# Altium PCB roach2.PcbDoc (part 1 of 39) (continued)
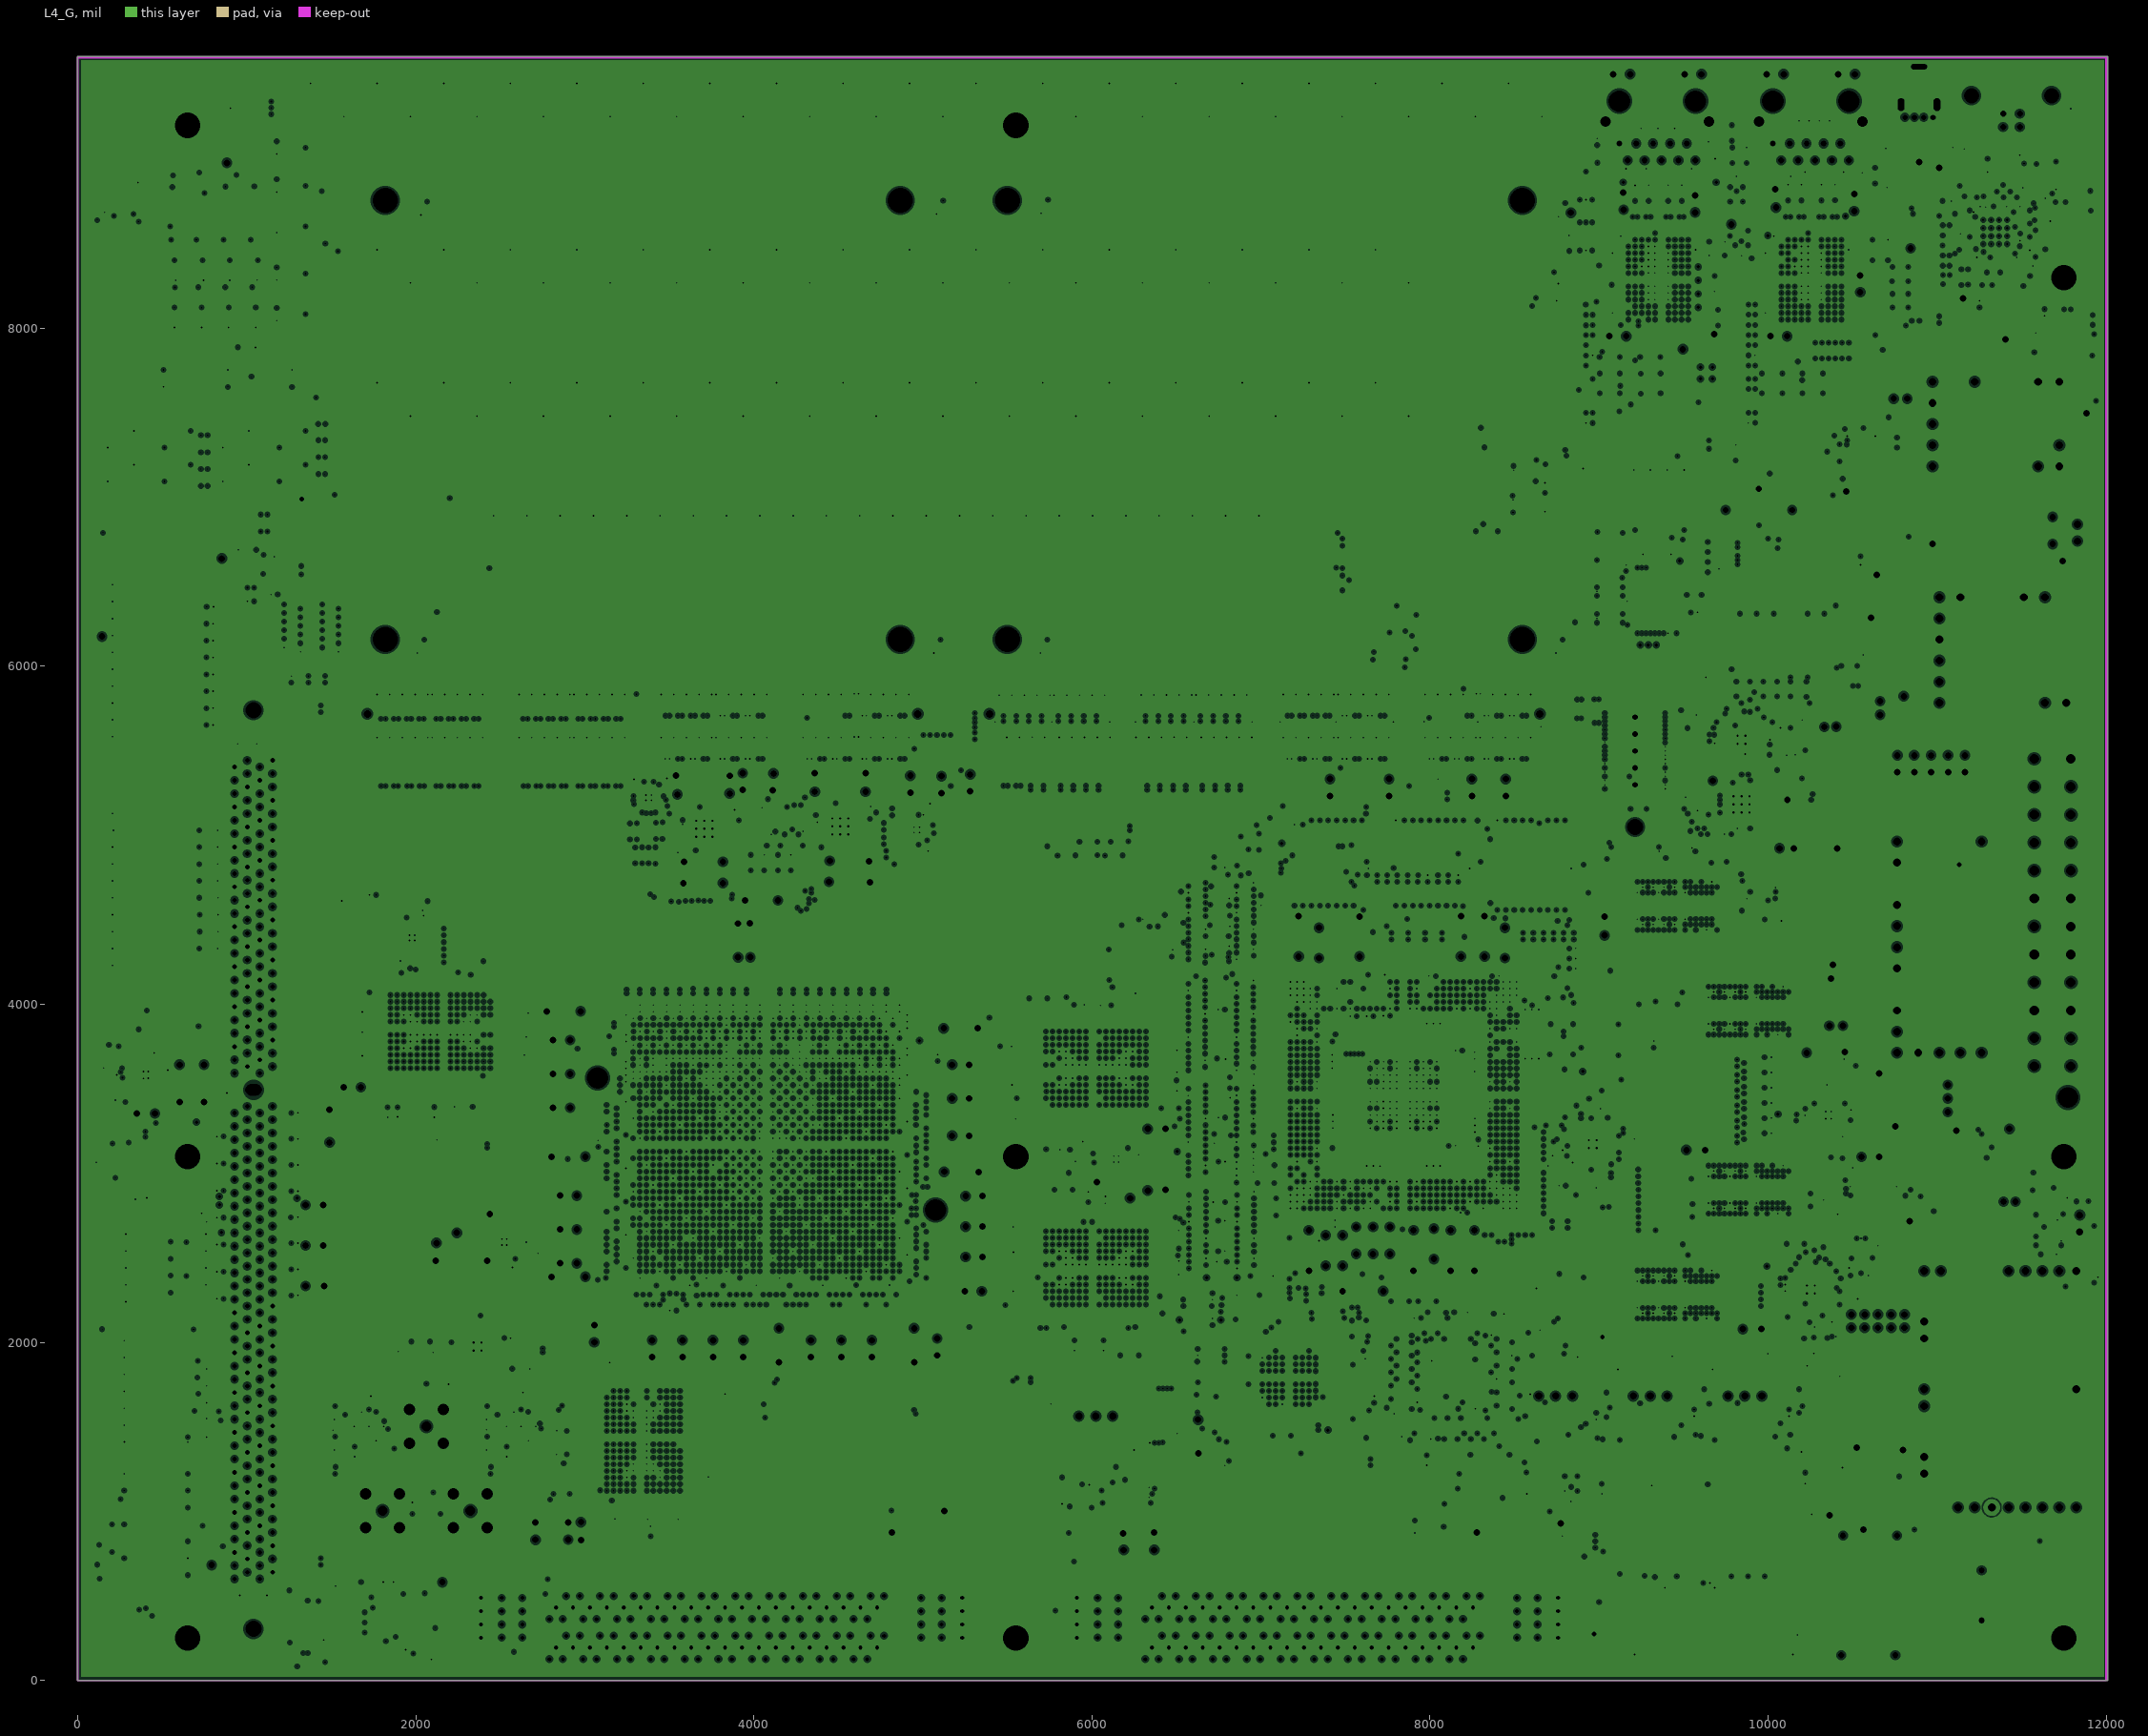
[diagram p4: L4_G, clearances drawn from the general rule]
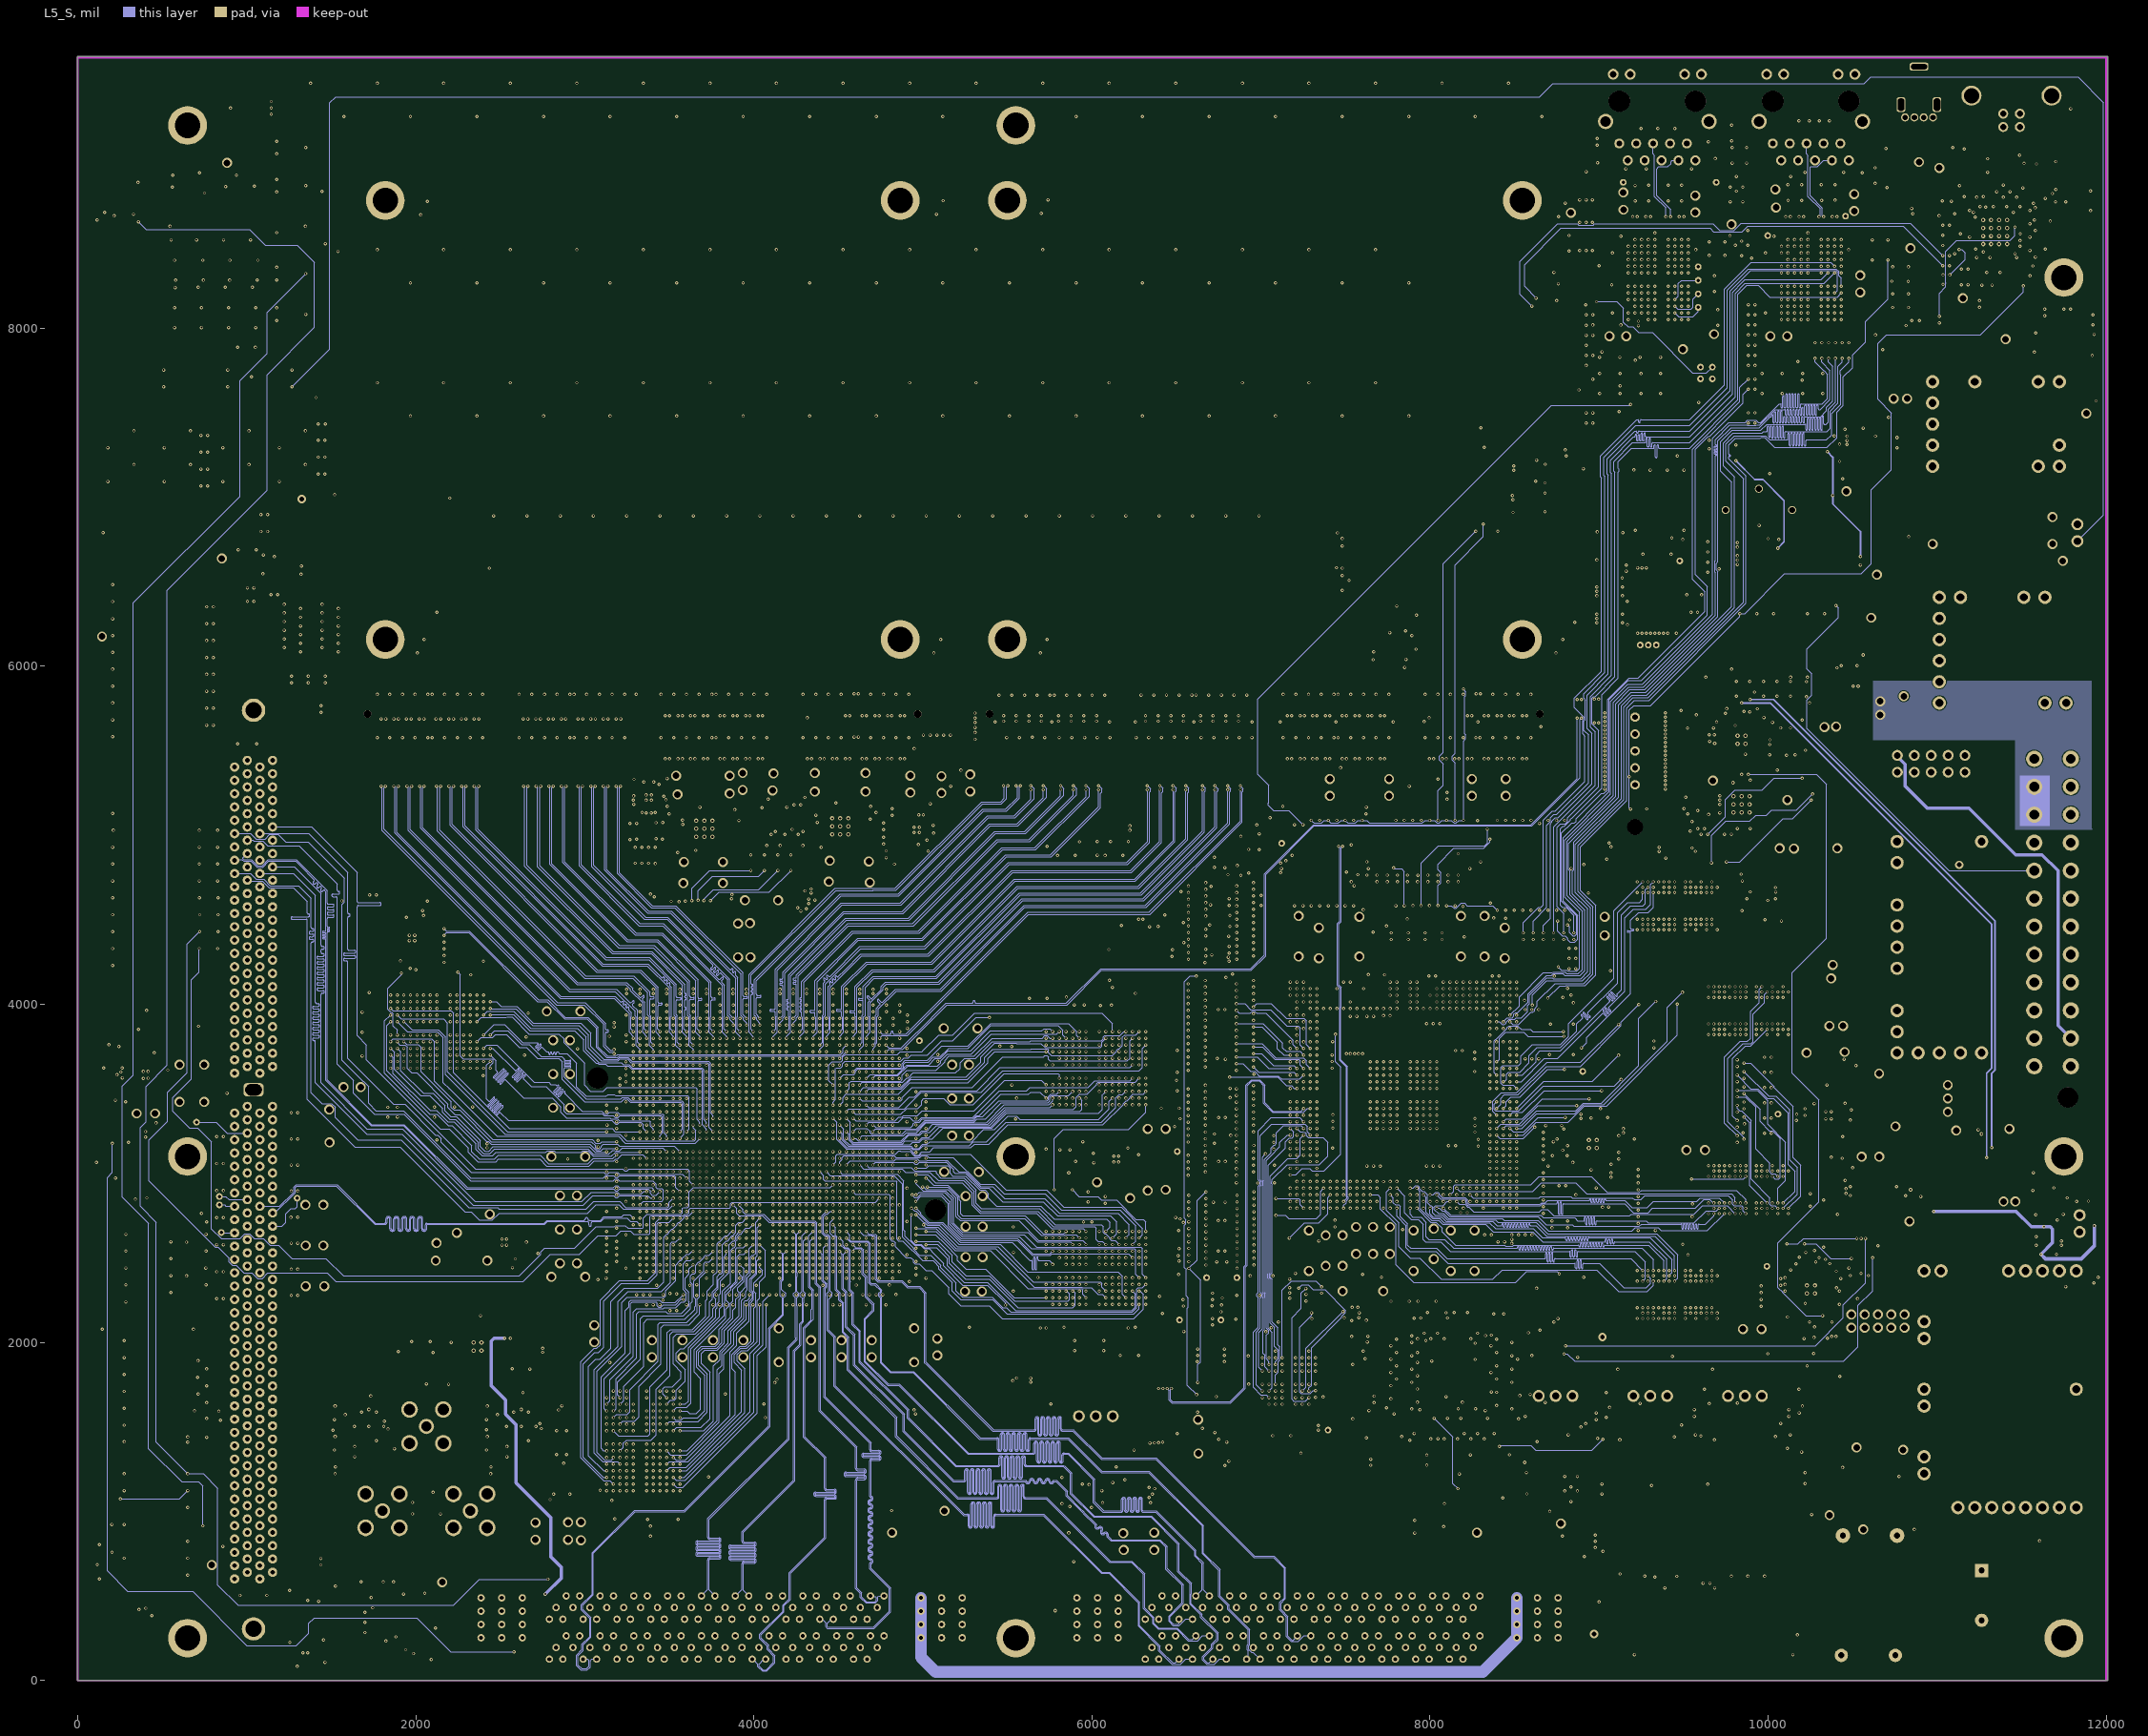
[diagram p5: L5_S]
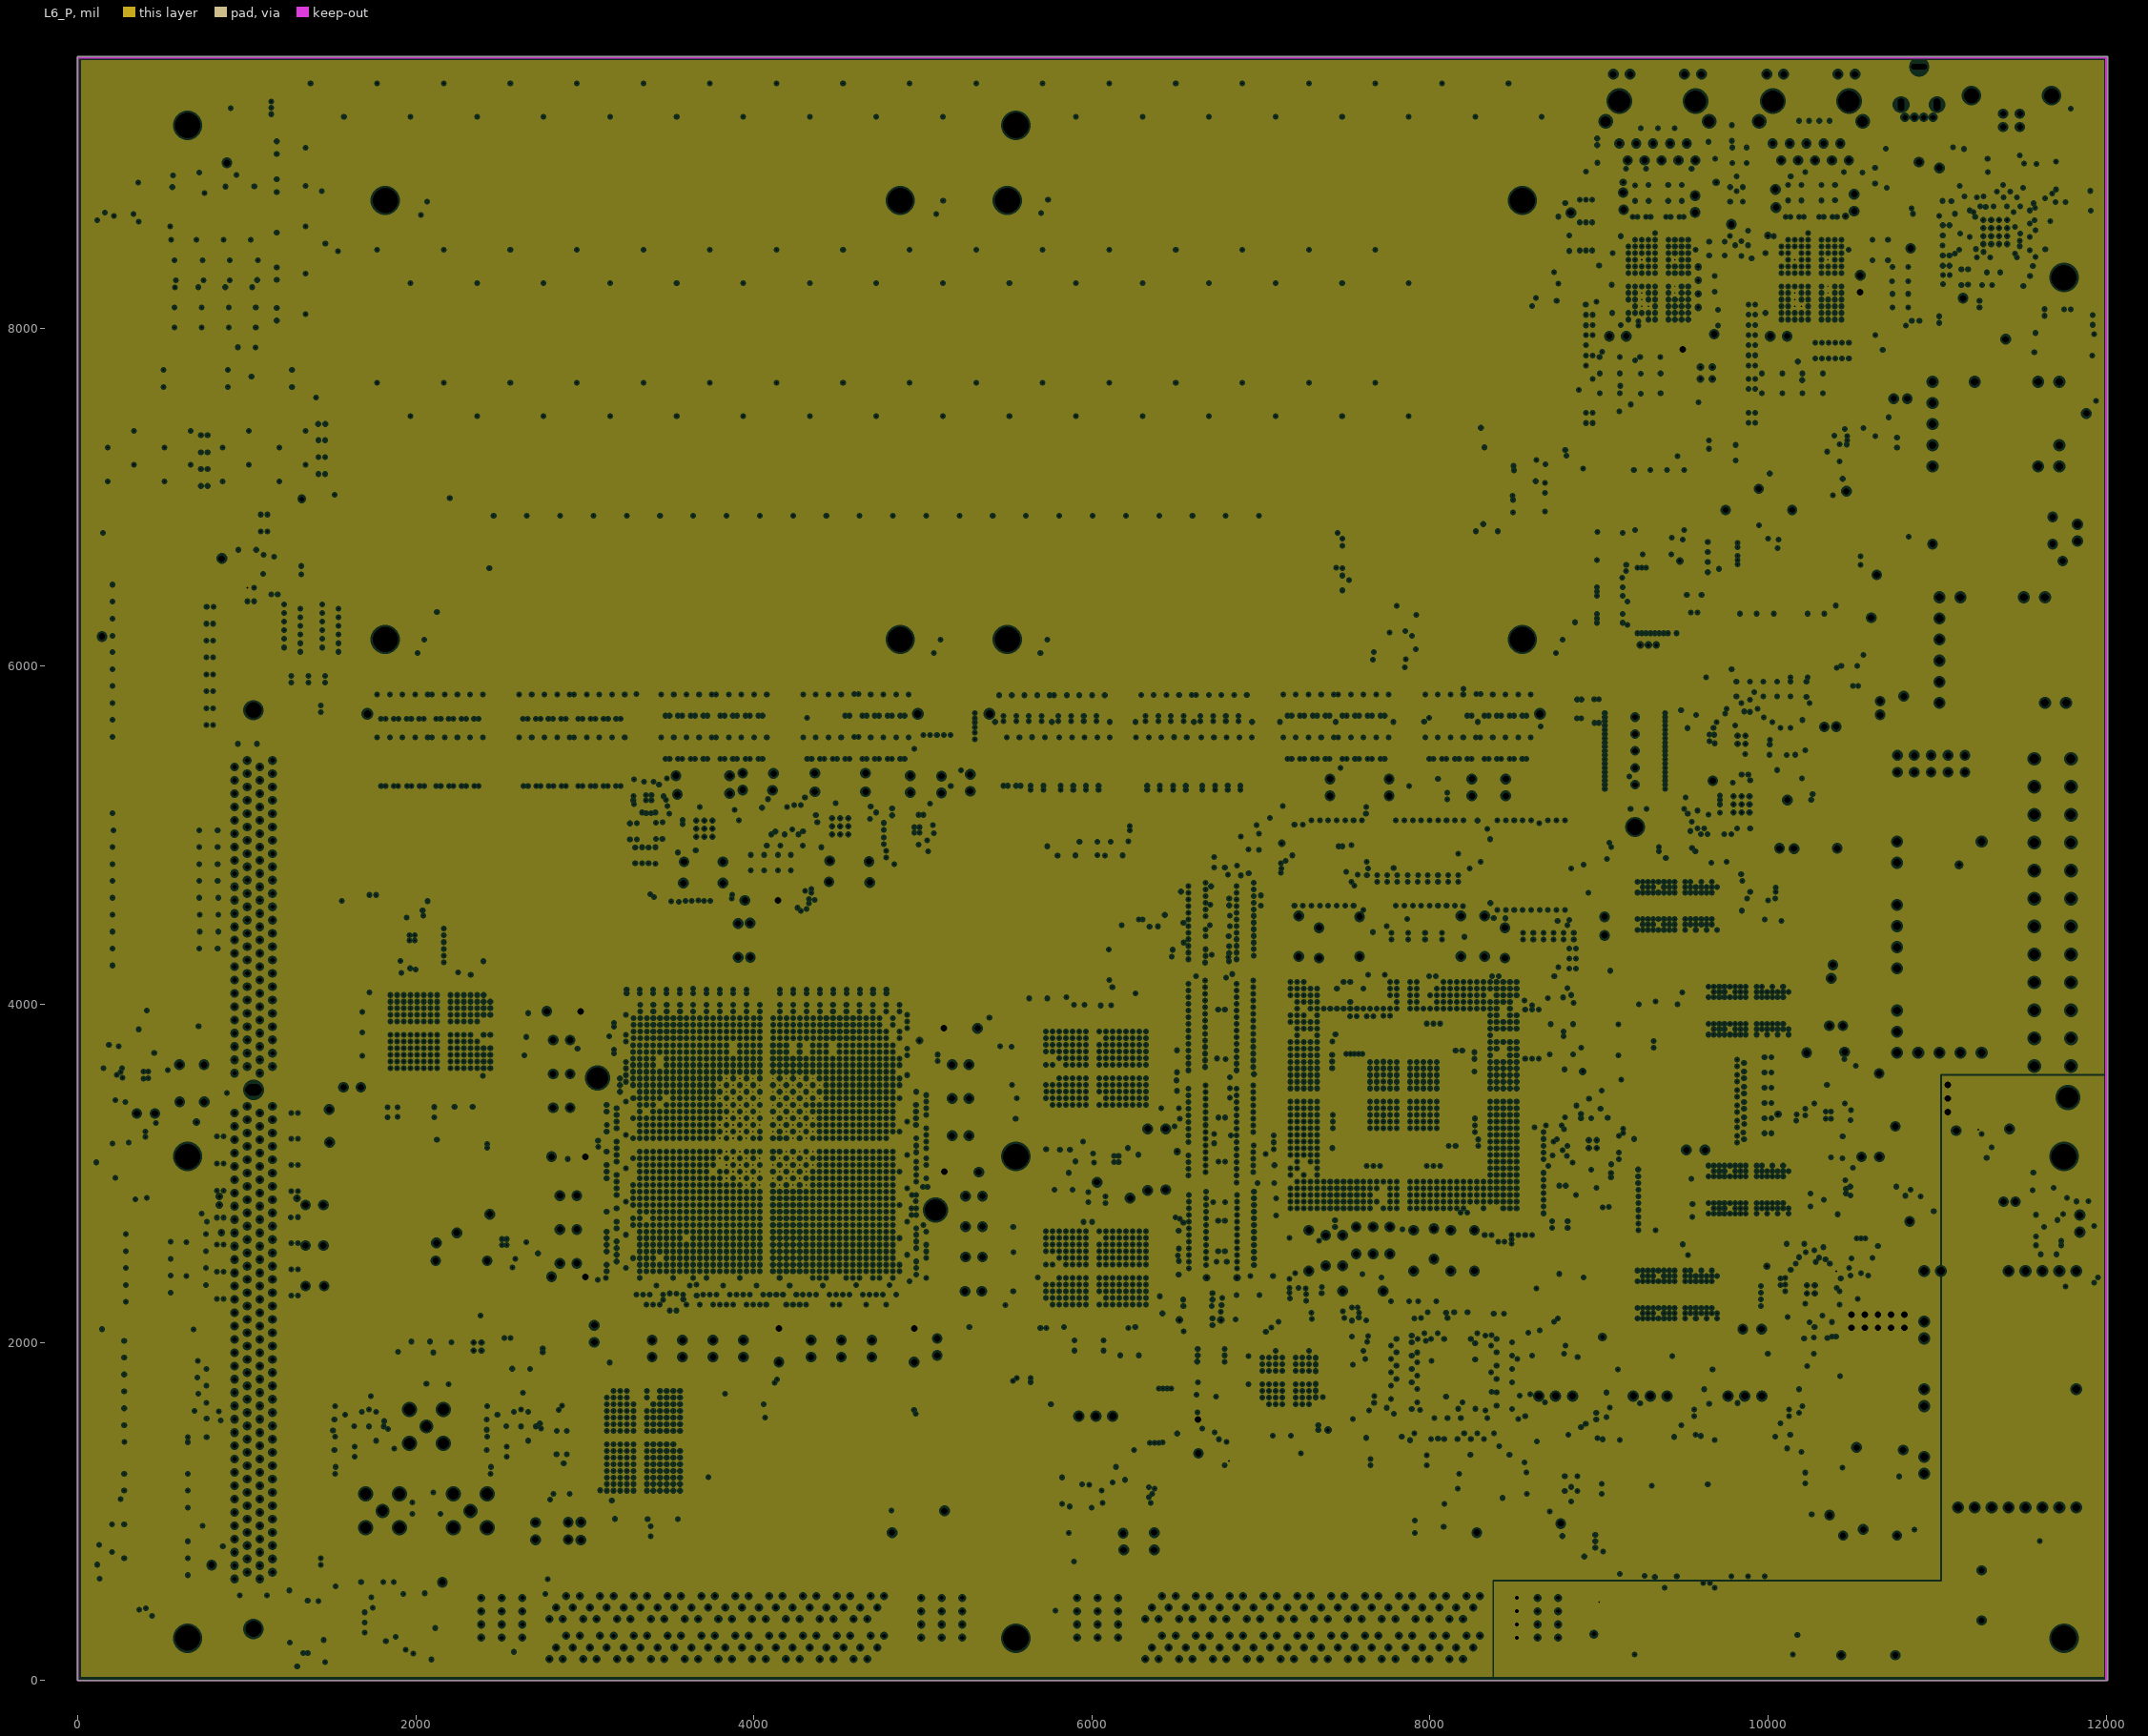
[diagram p6: L6_P, clearances drawn from the general rule]
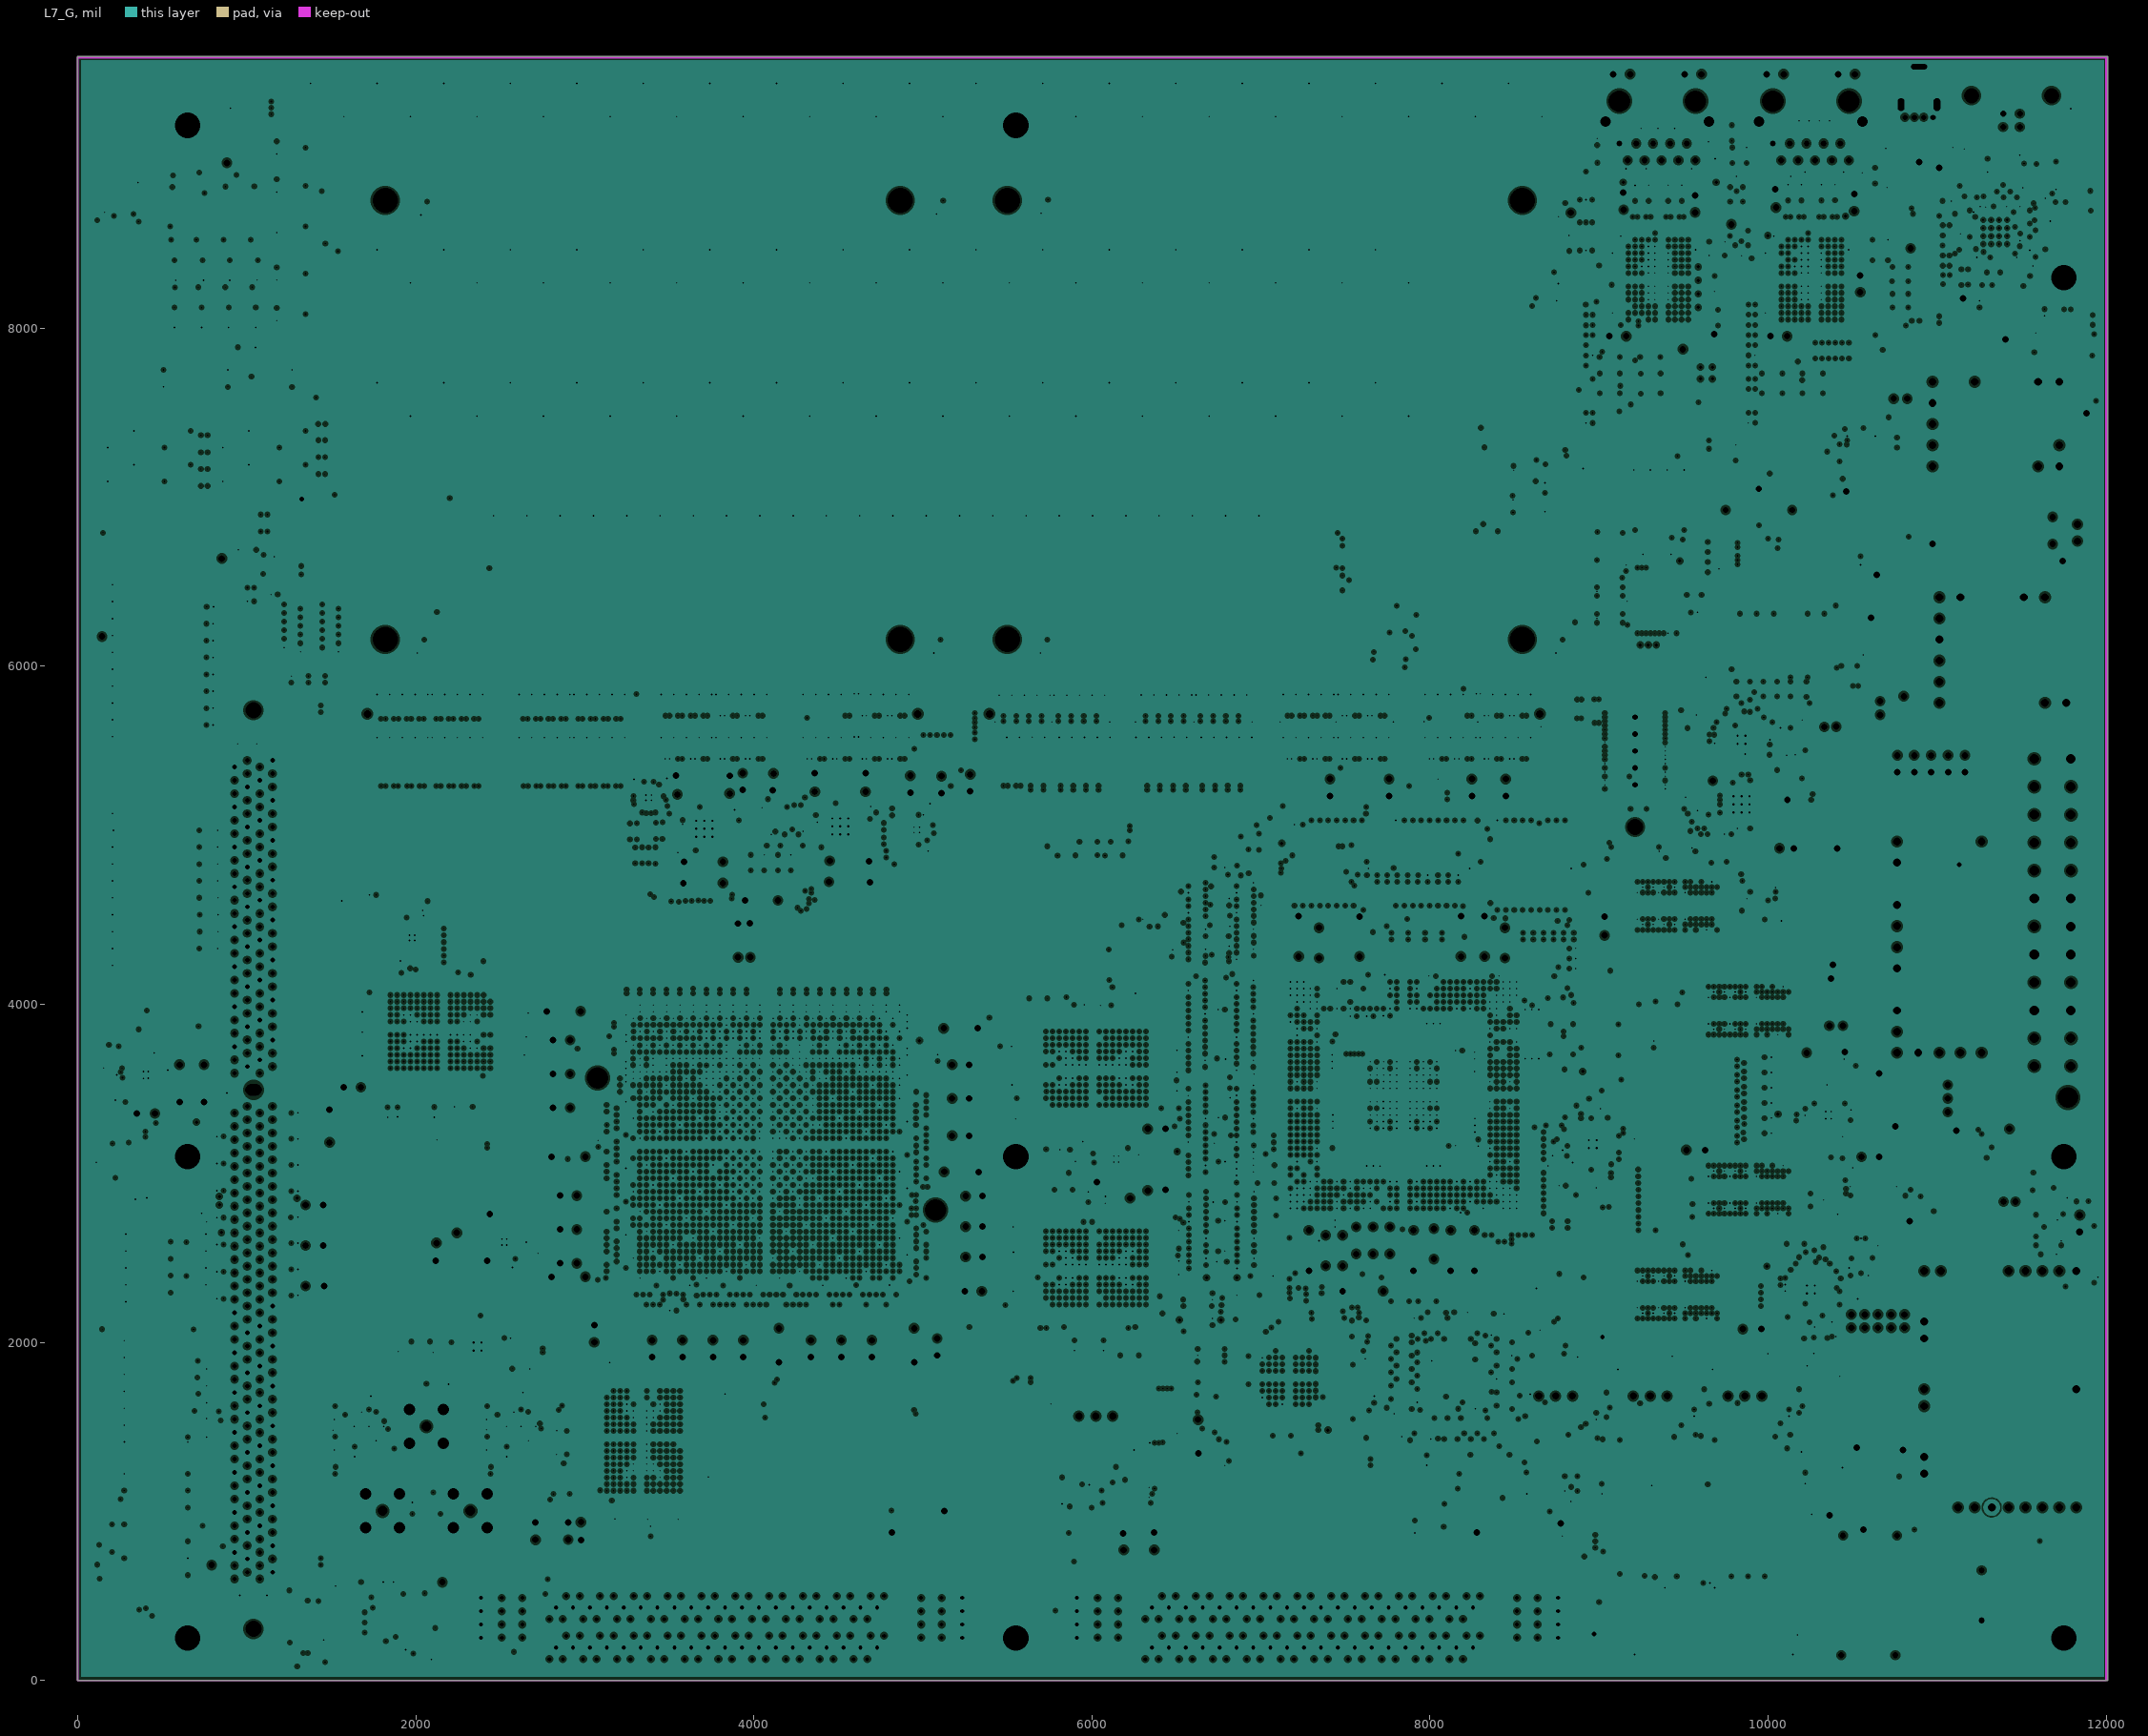
[diagram p7: L7_G, clearances drawn from the general rule]